# Altium PCB Dashcam.PcbDoc (part 1 of 6)
Units mm, origin at the board's own origin, x right, y up, seen from the top; angles counter-clockwise.
Board outline 90.03 x 65.03 mm, 6 copper layers (TOP, L2_GND, L3_IN1, L4_POWER, L5_GND_2, BOTTOM), stack 1.128 mm thick; 287 components, 444 nets, 1760 pads, 0 vias.
Unrouted connection lines stored in the file: 908.
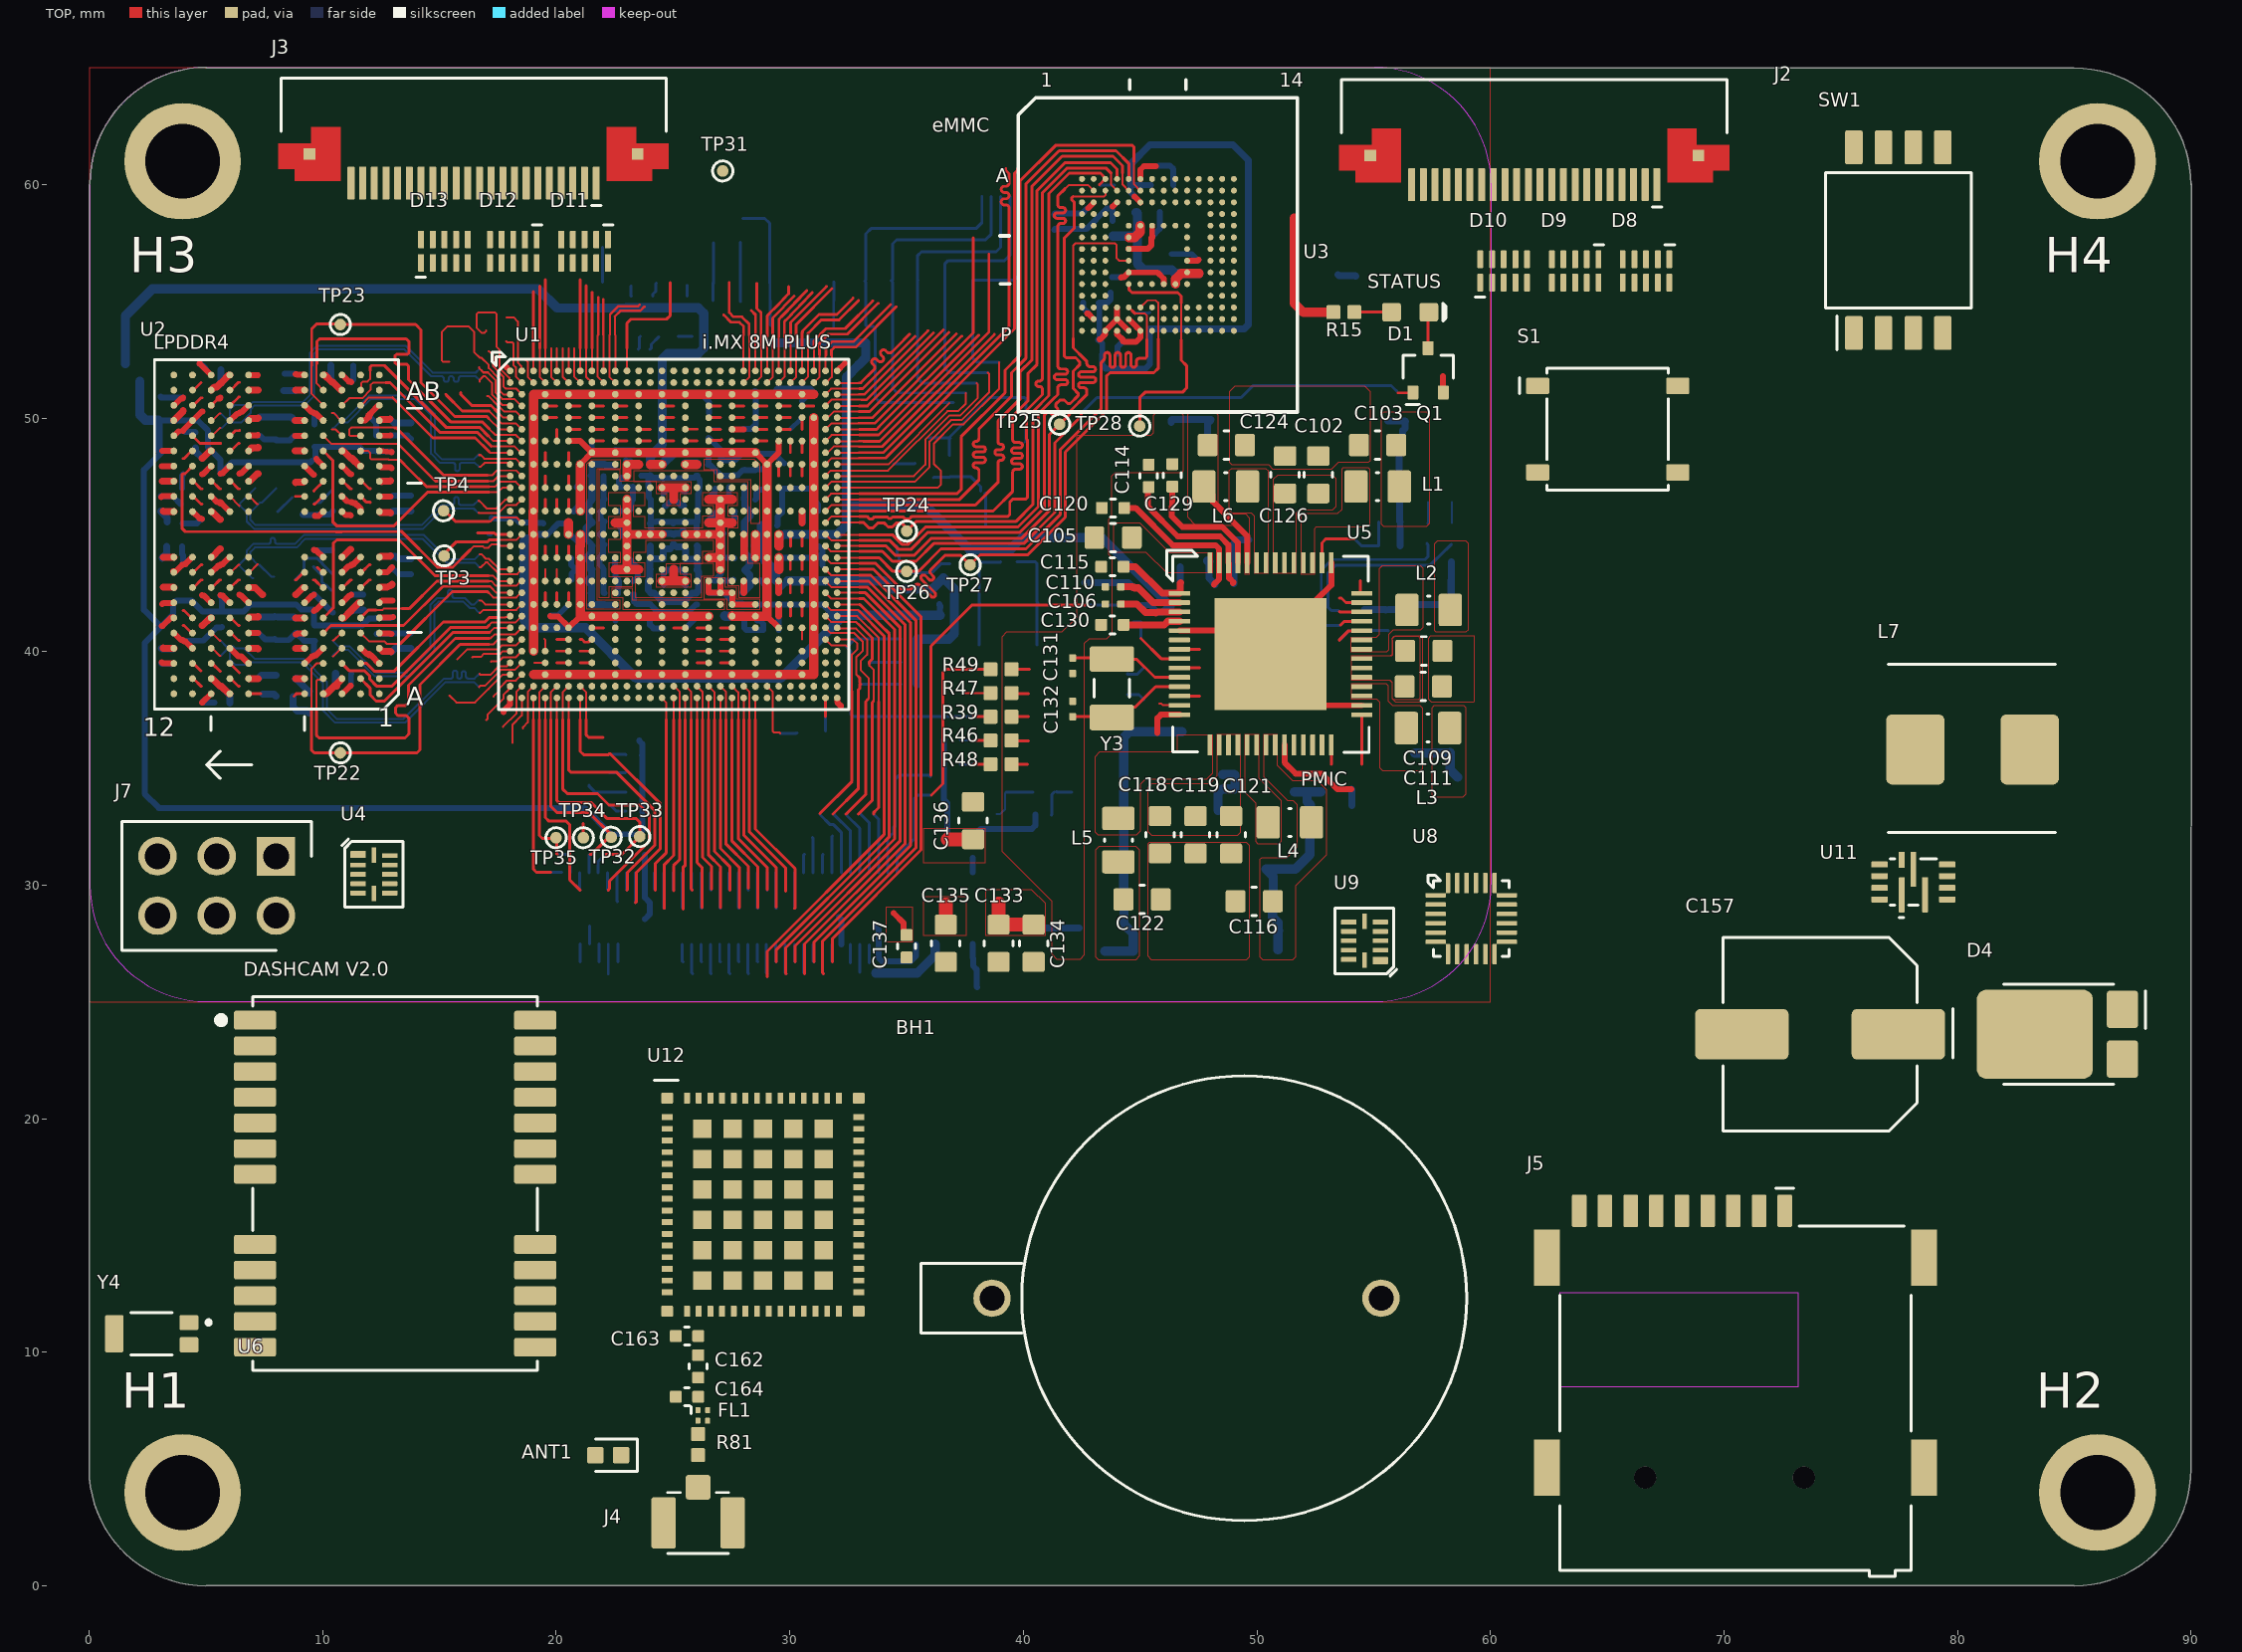
[diagram p0: TOP view]
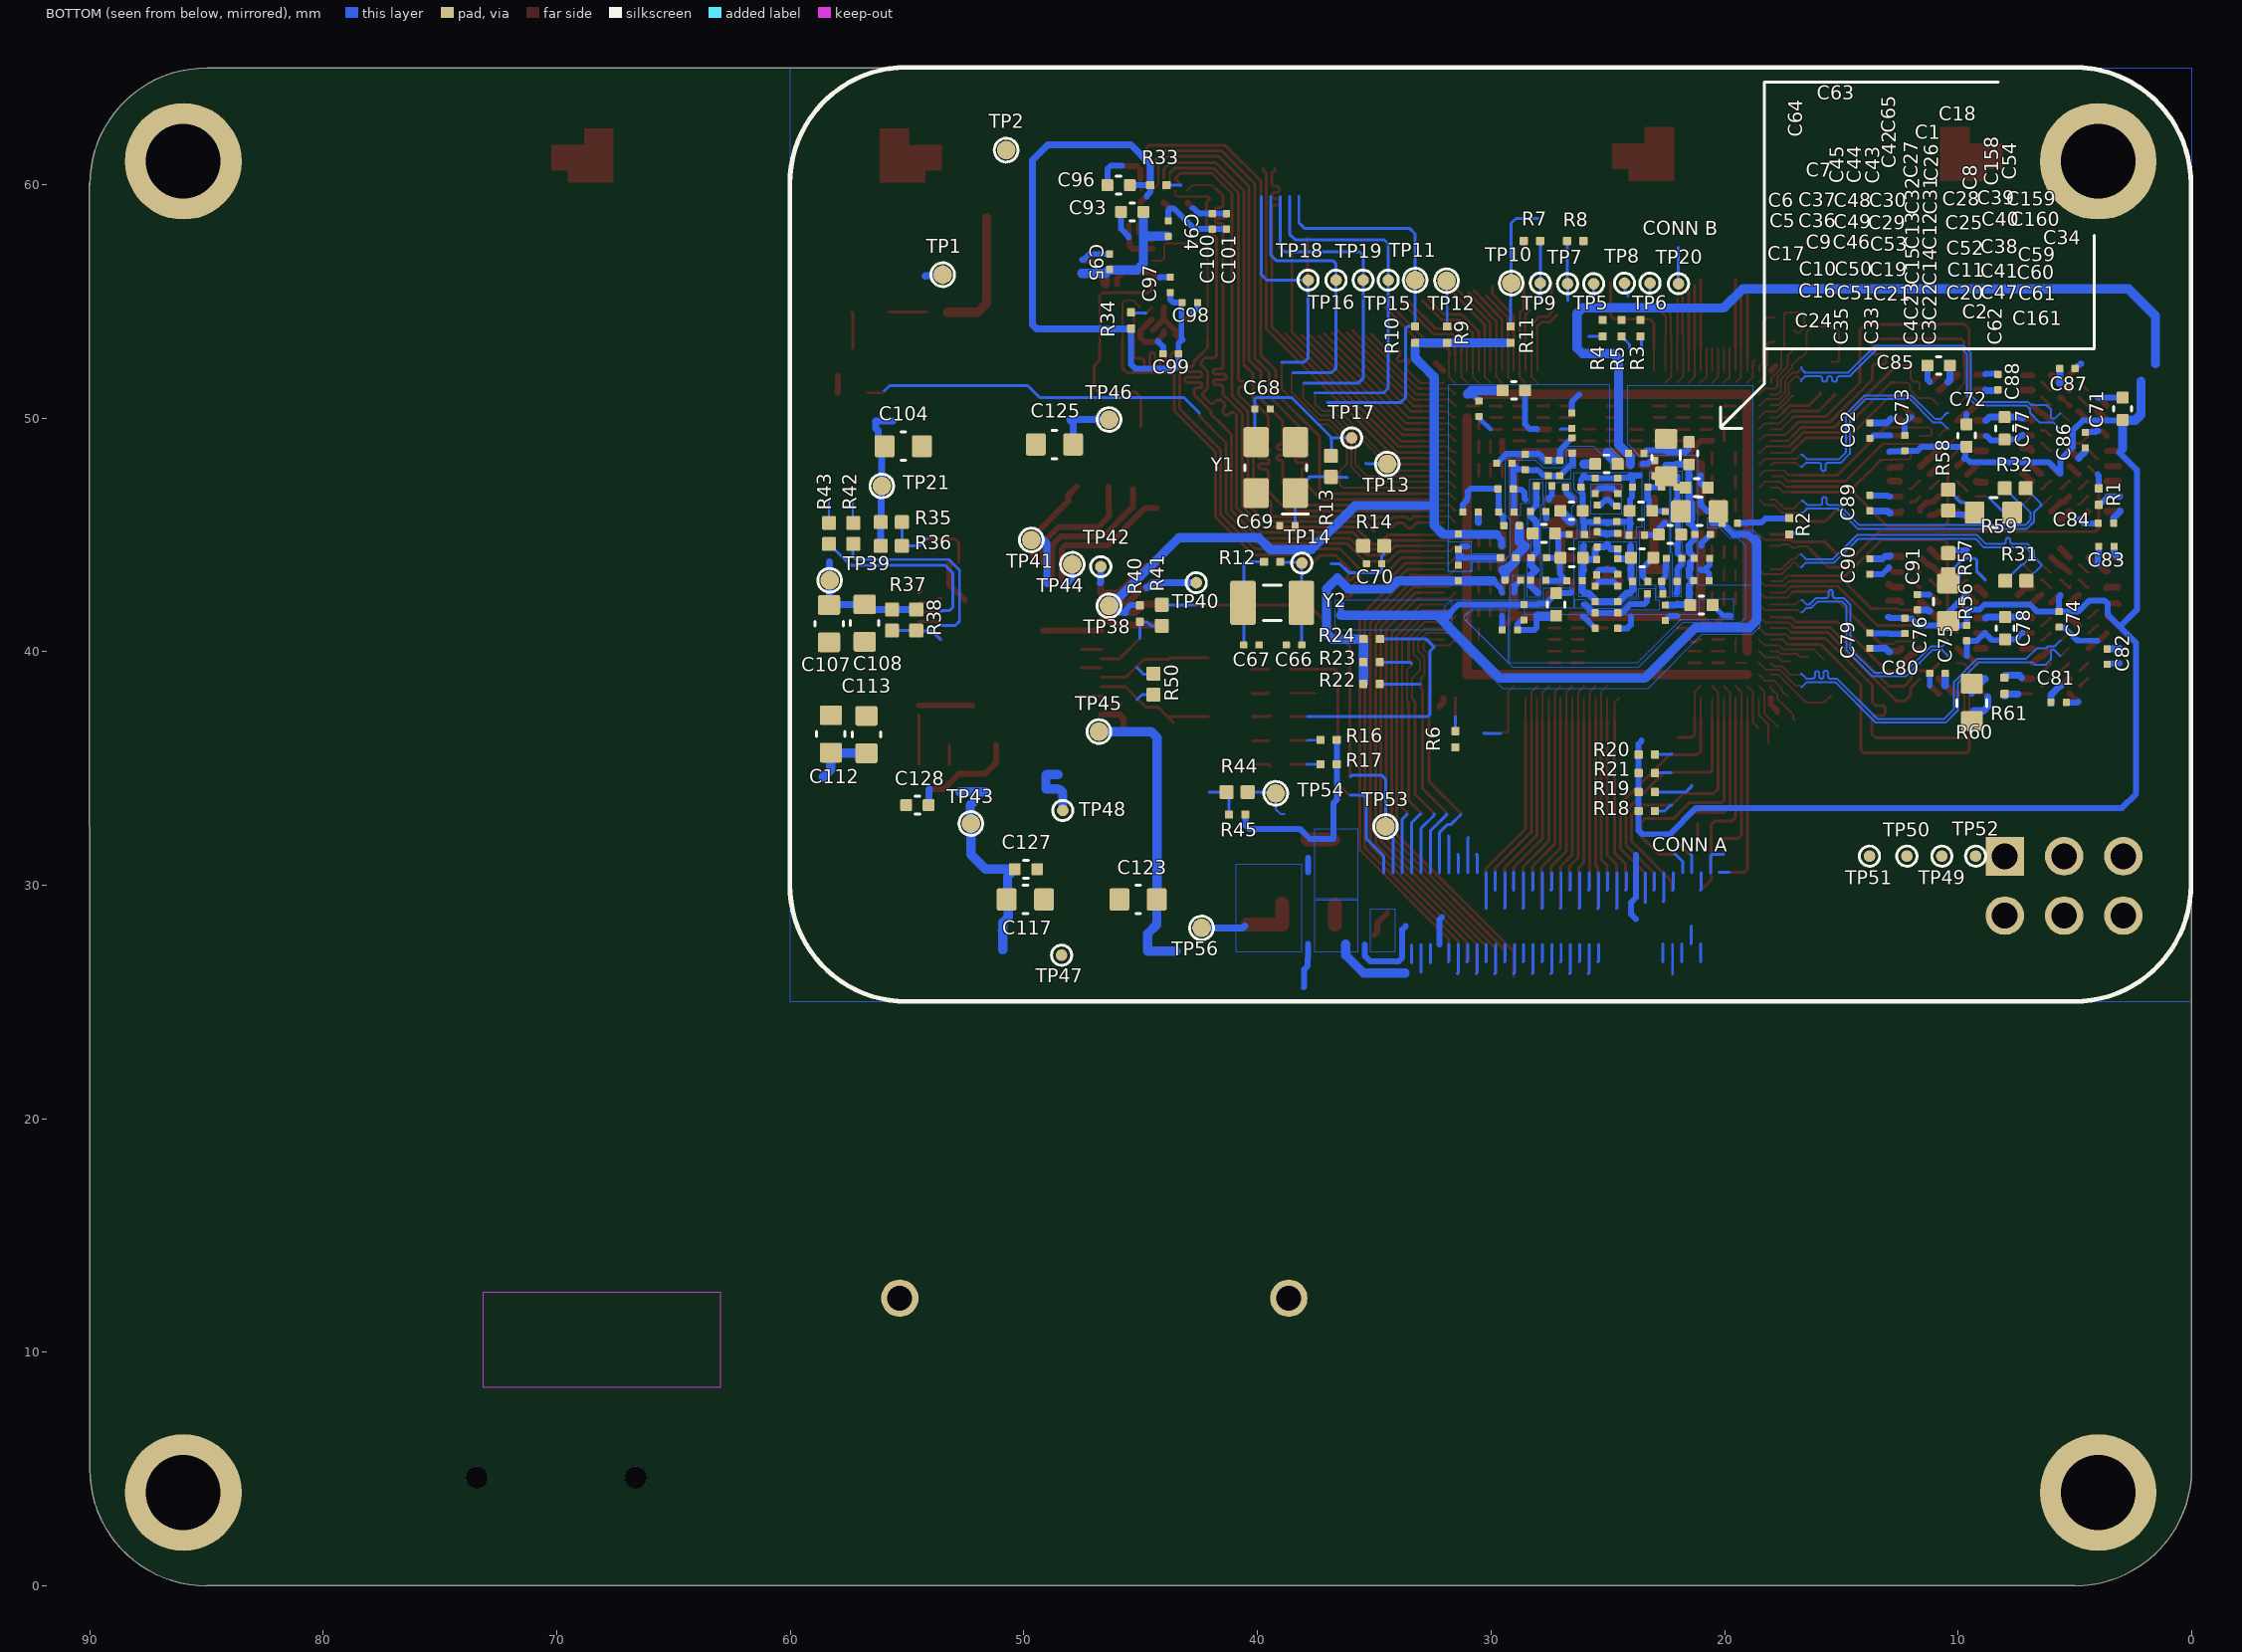
[diagram p1: BOTTOM view, seen from below]
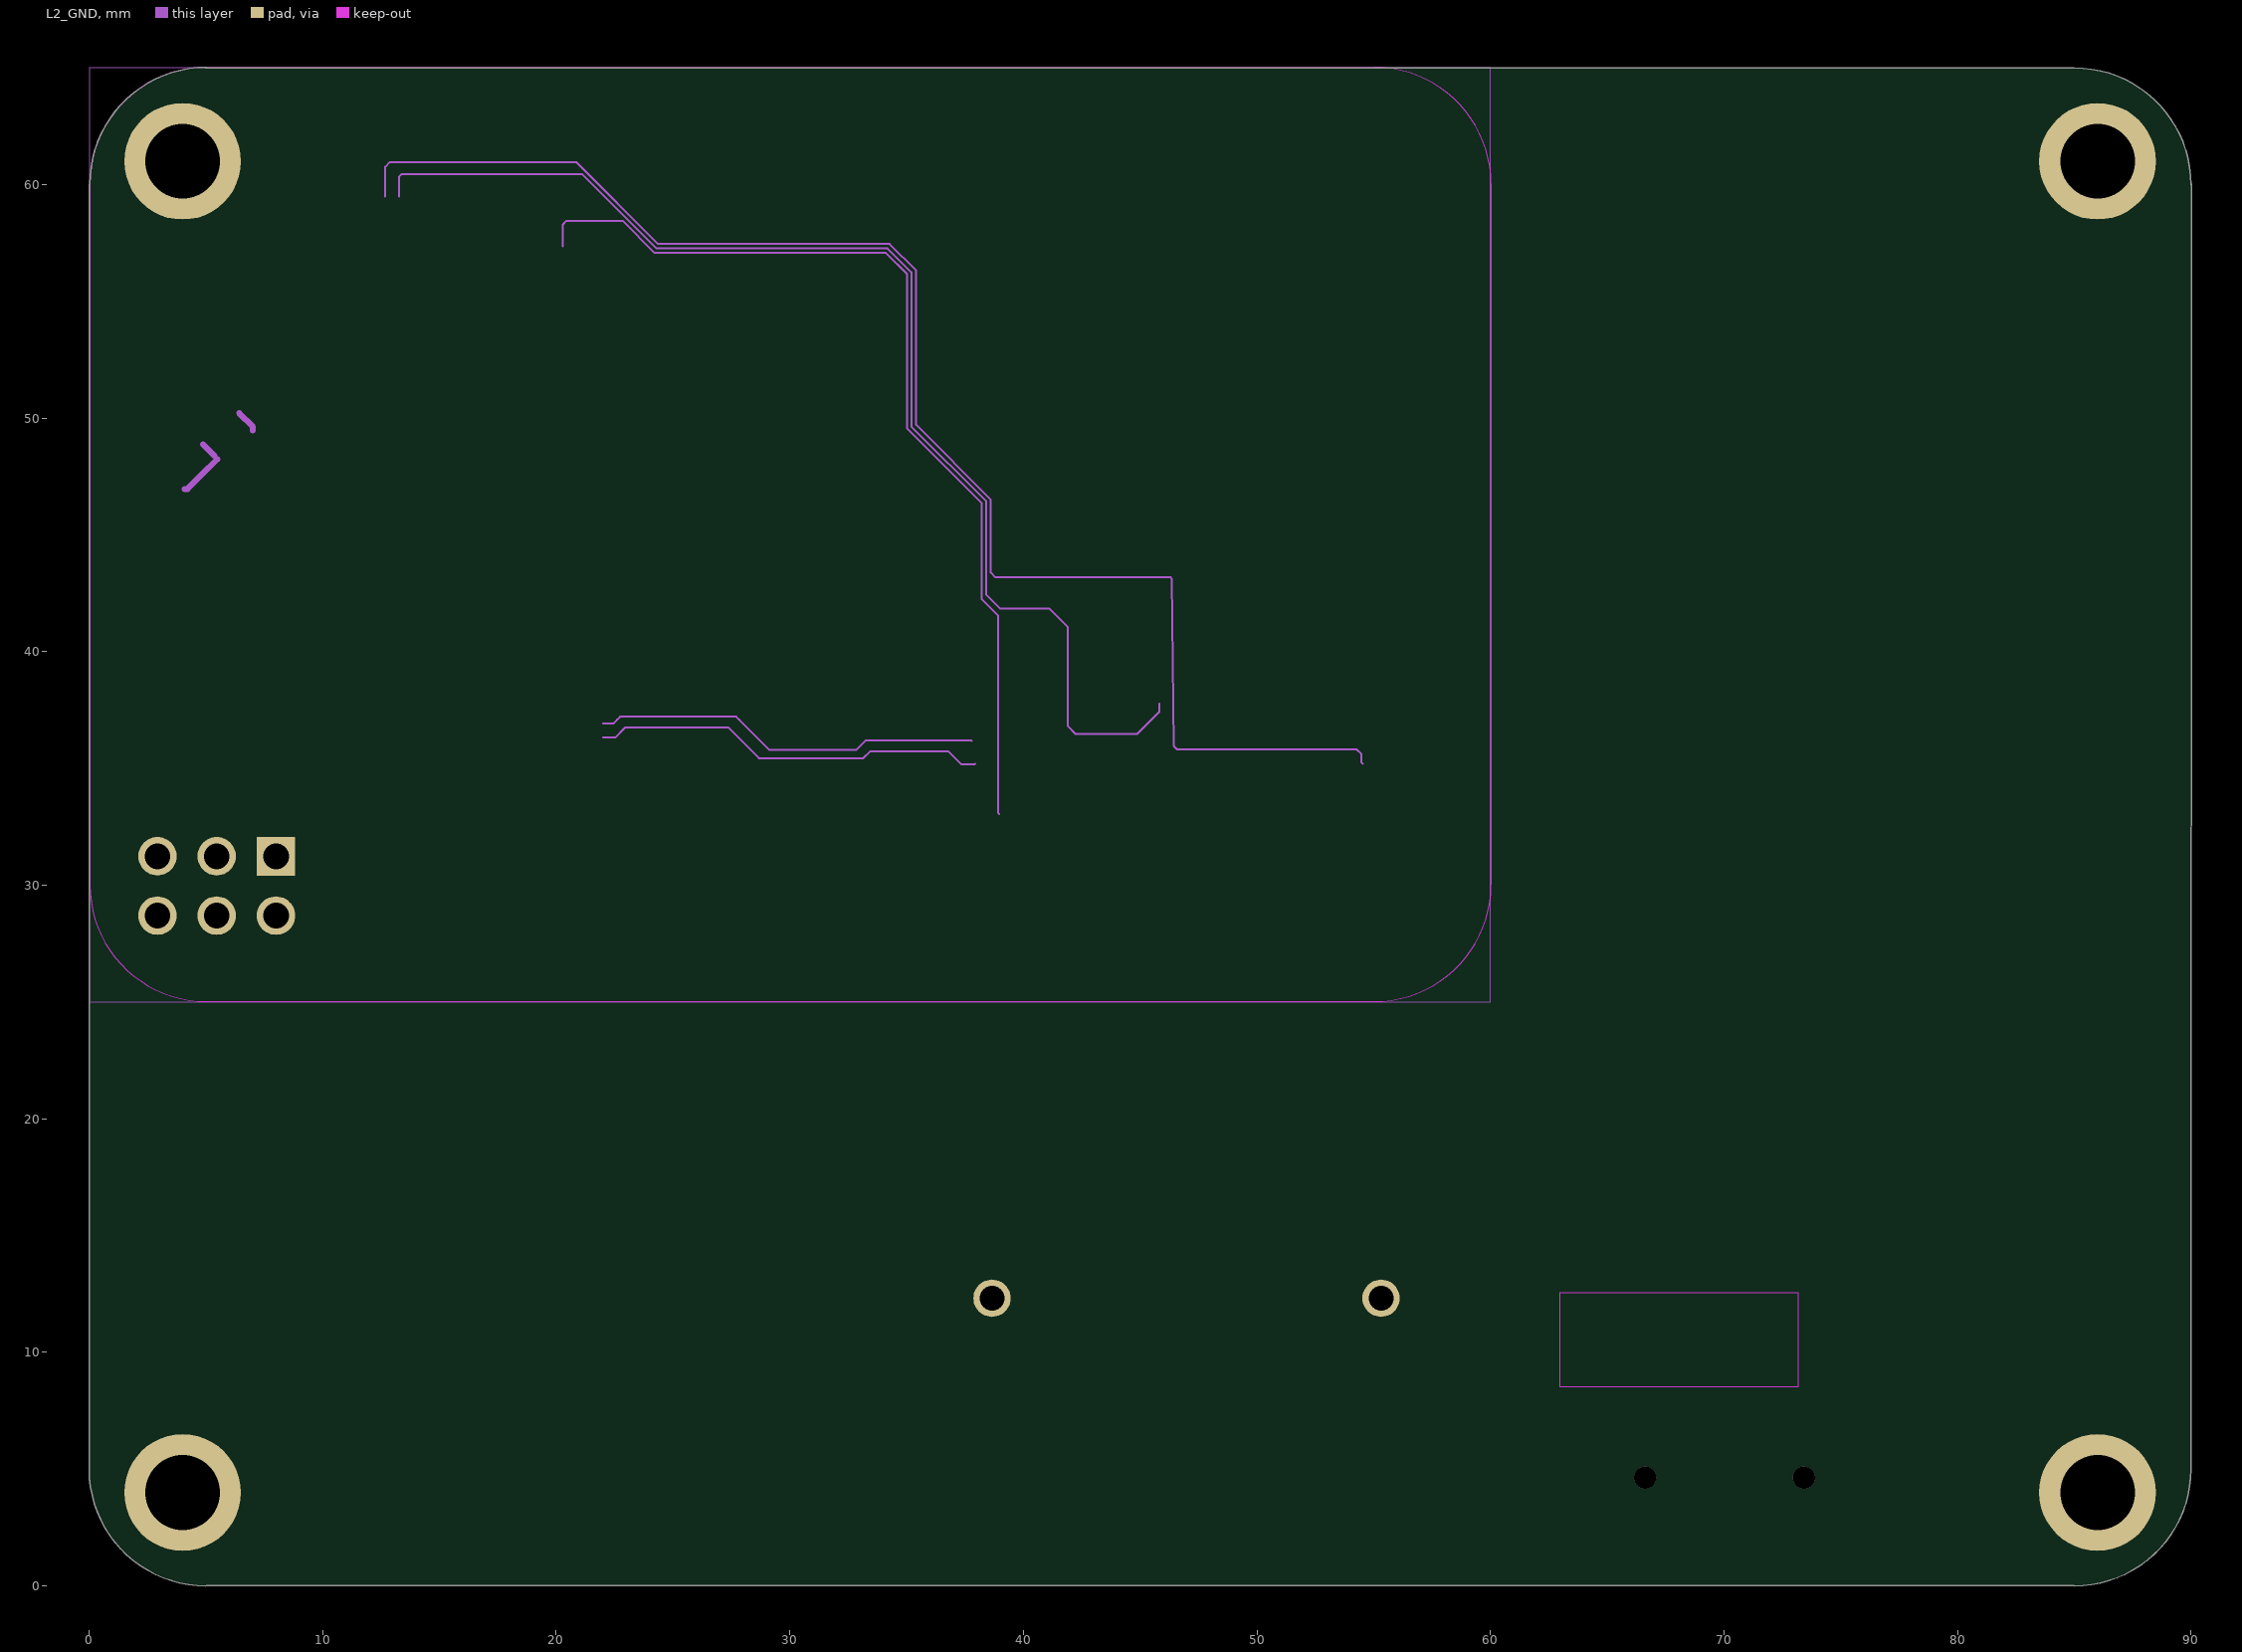
[diagram p2: L2_GND]
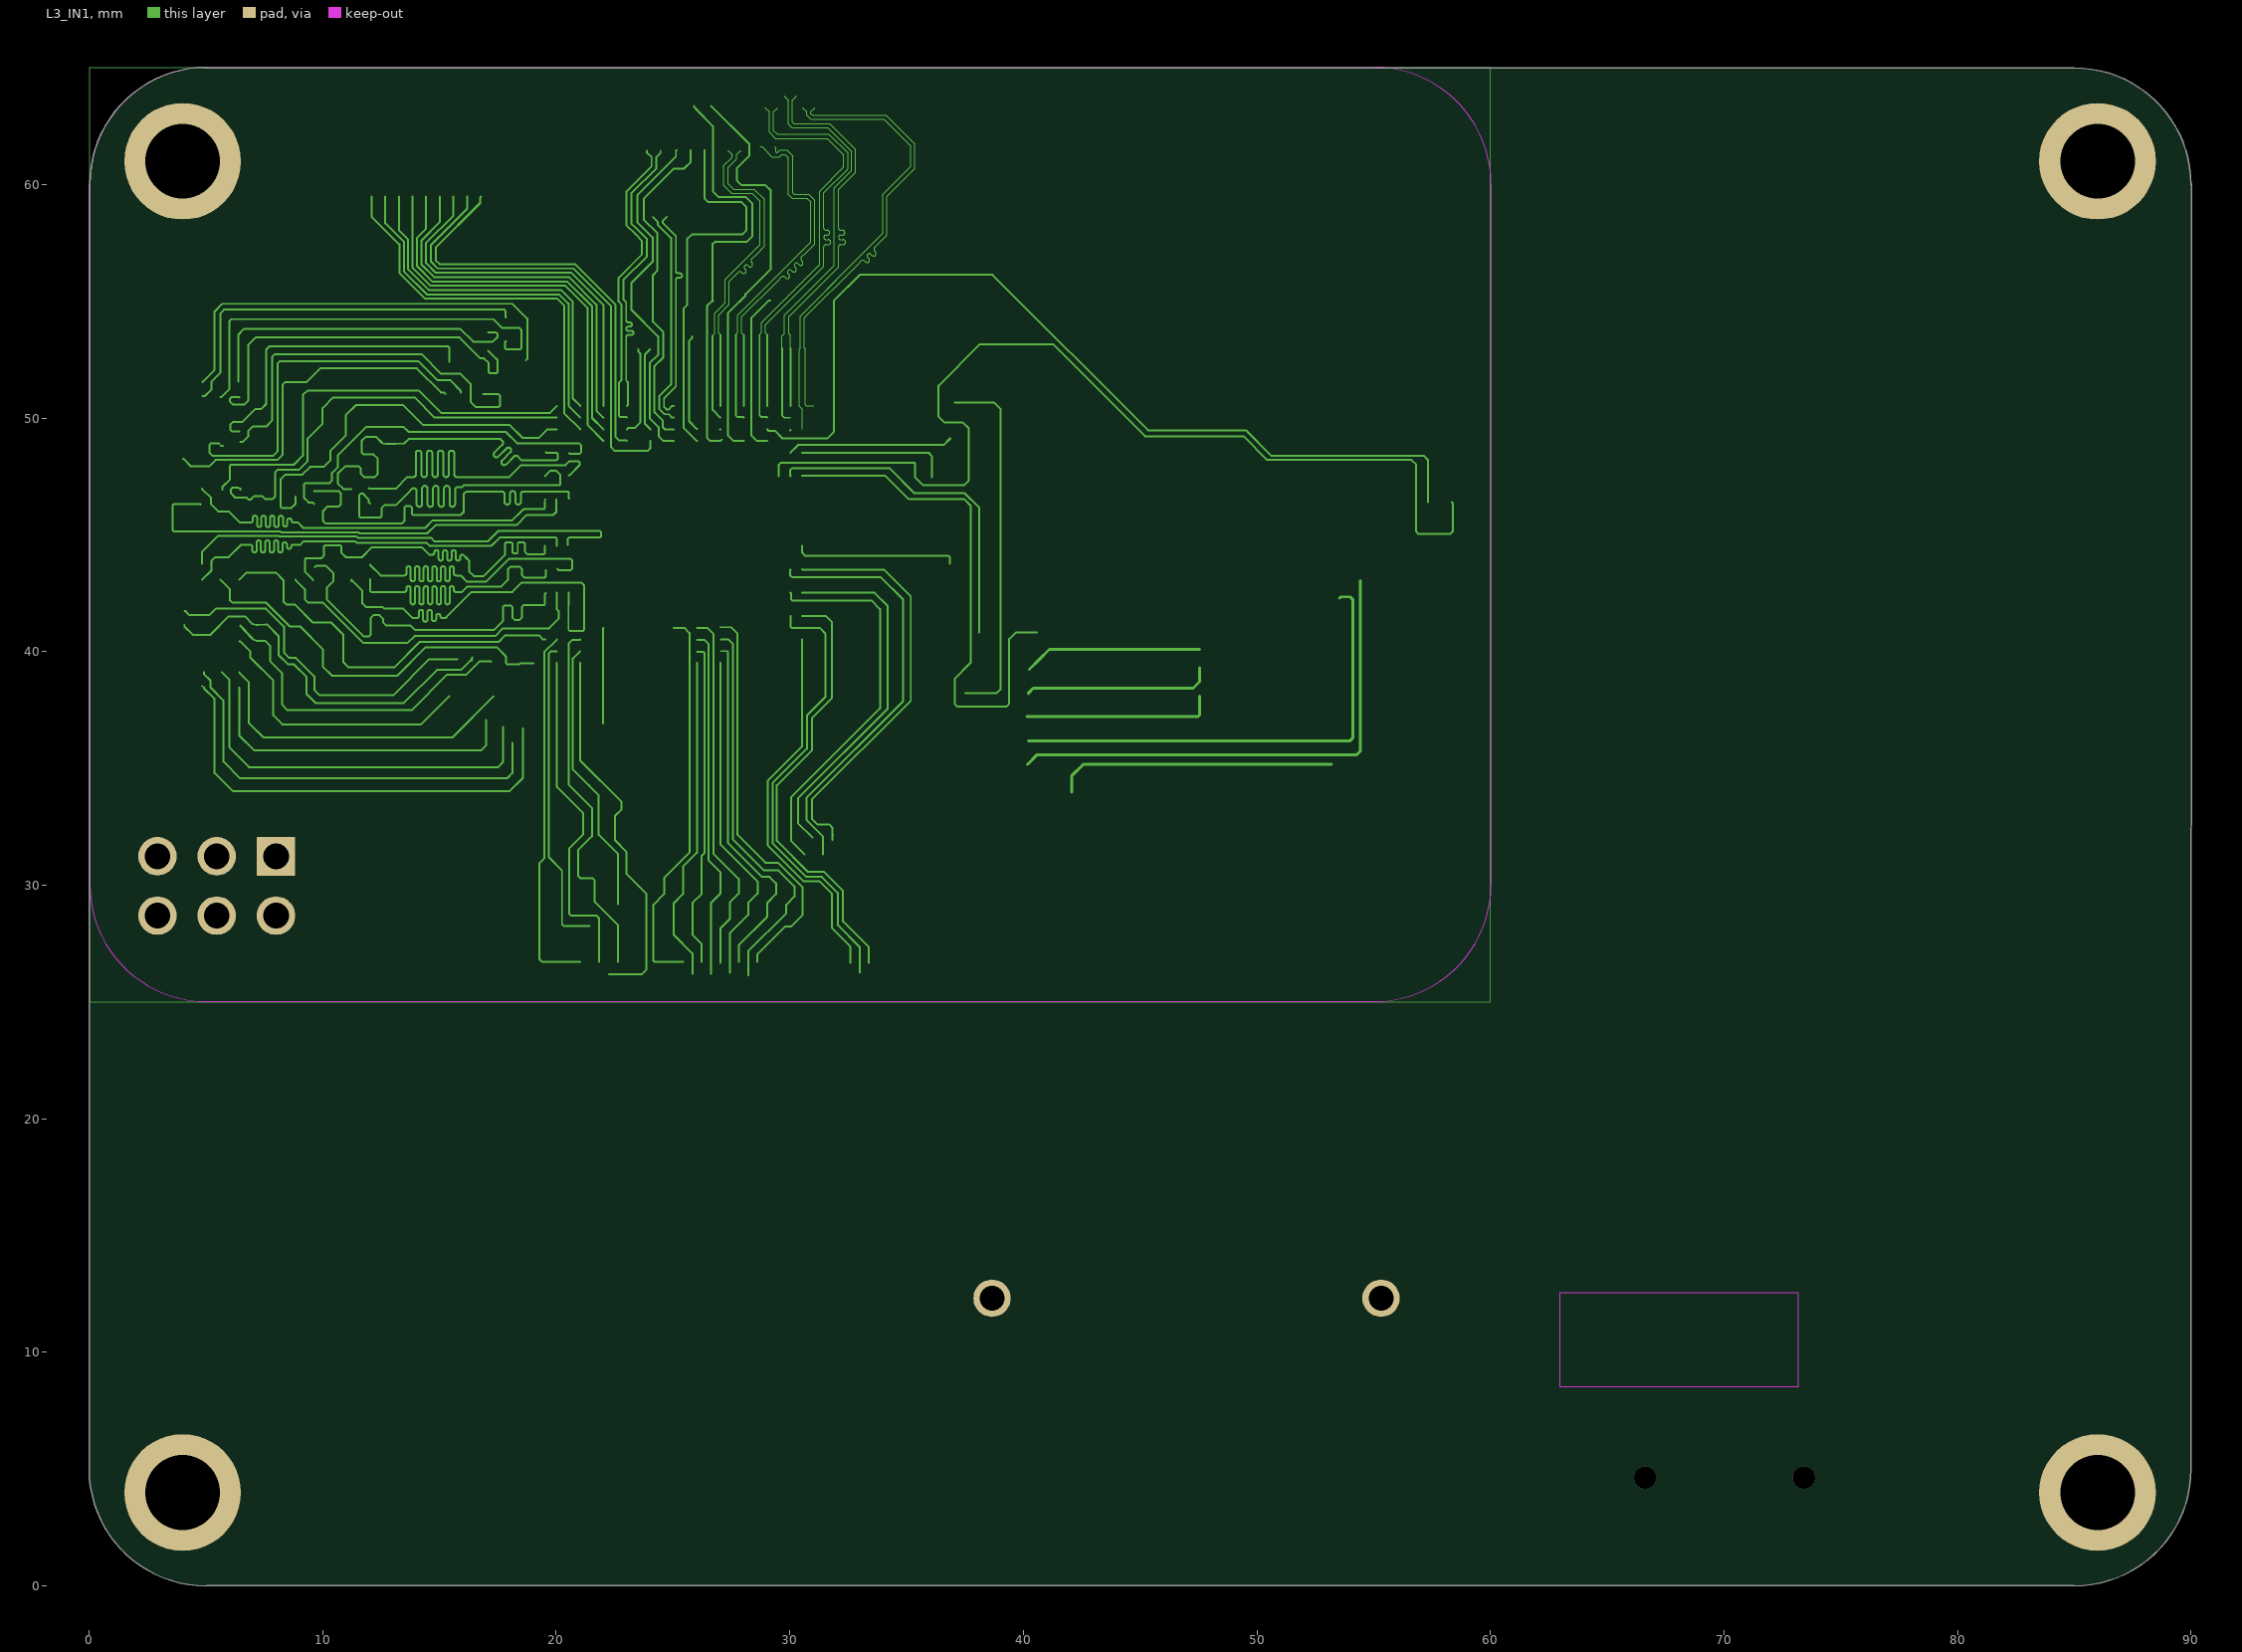
[diagram p3: L3_IN1]